# Altium PCB 28pins_Antariksh_unoR3_V1I1_PCB.PcbDoc (part 1 of 2)
Units mm, origin at the board's own origin, x right, y up, seen from the top; angles counter-clockwise.
Board outline 68.58 x 53.34 mm, 2 copper layers (L1, L2), stack 1.671 mm thick; 106 components, 71 nets, 323 pads, 81 vias.
Unrouted connection lines stored in the file: 1.
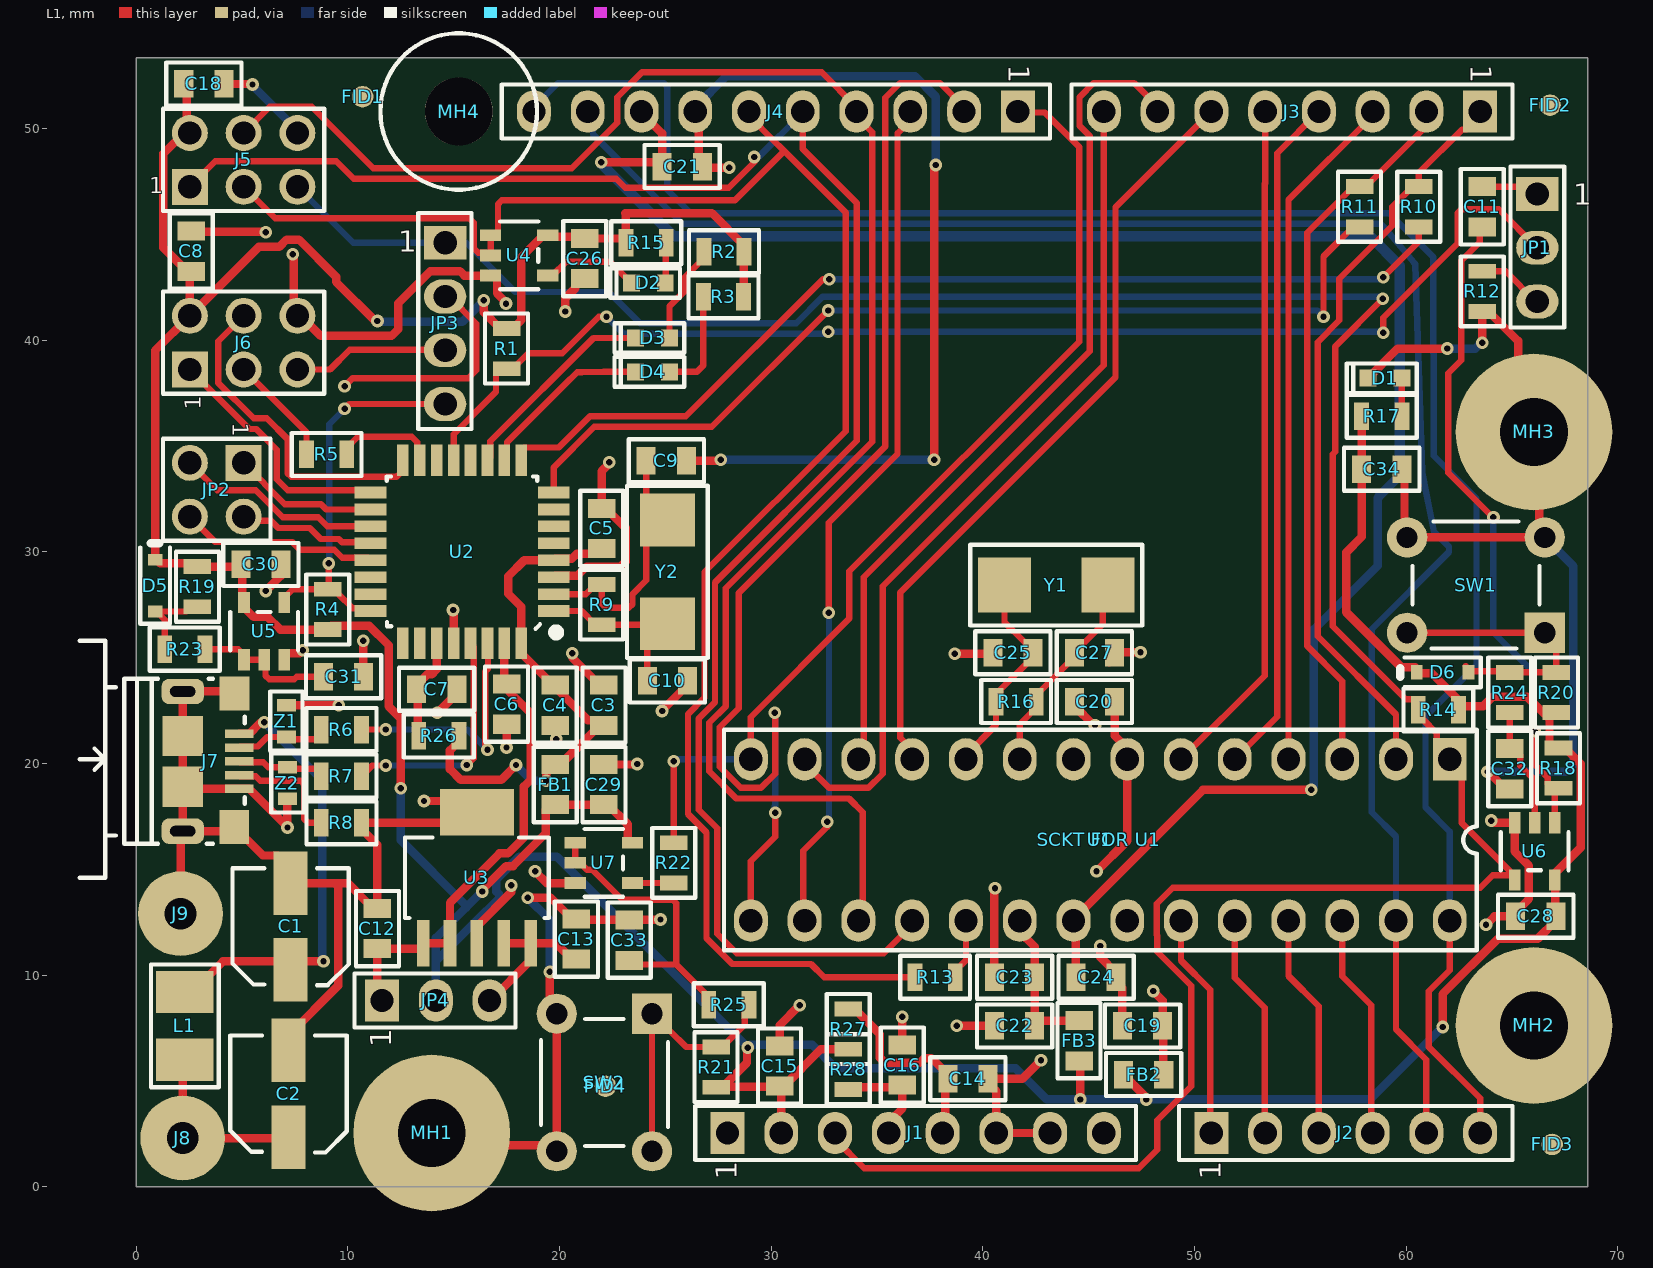
[diagram p0: L1 view]
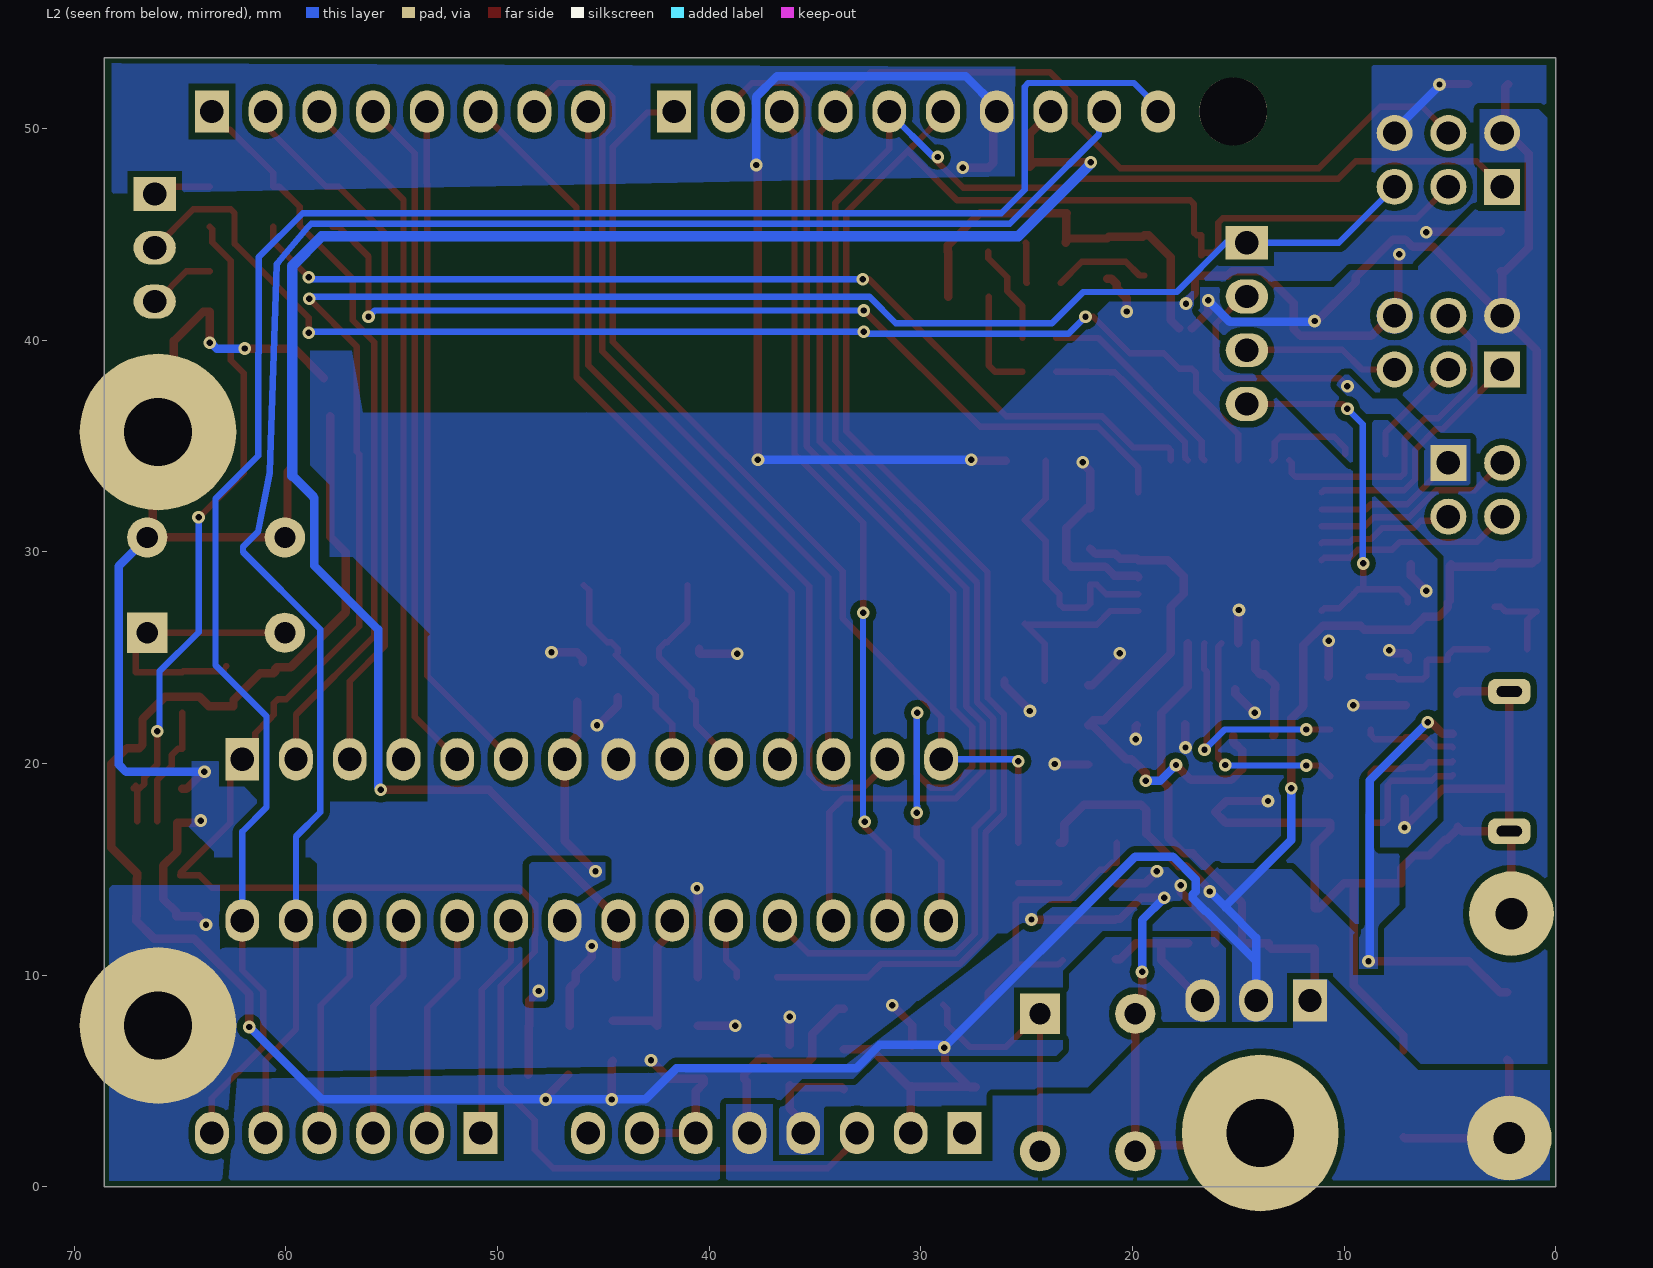
[diagram p1: L2 view, seen from below]

## Layer stack, top to bottom
Top Solder: solder mask 0.0102, Solder Resist, Dk 3.5
L1: signal copper 0.0356
Dielectric 1: dielectric 1.6, FR-4, Dk 4.8
L2: signal copper 0.0356
Bottom Solder: solder mask 0.0102, Solder Resist, Dk 3.5

## Board outline
0,0 68.58,0 68.58,53.34 0,53.34

## Design rules (kind name [scope] priority, off if disabled: settings)
Clearance "Around Polygons" [IsRegion] p1: gap=0.3 ignorepadtopadclearanceinfootprint=FALSE
Clearance [All] p2: gap=0.2 ignorepadtopadclearanceinfootprint=FALSE
ComponentClearance "MH4 and FID1" [InComponent('MH4') vs InComponent('FID1')] p1: gap=0 collisioncheckmode=3 verticalgap=0 showdistances=FALSE
ComponentClearance "SW2 and FID4" [InComponent('SW2') vs InComponent('FID4')] p2: gap=0 collisioncheckmode=3 verticalgap=0 showdistances=FALSE
ComponentClearance "SW1 and MH3" [InComponent('SW1') vs InComponent('MH3')] p3: gap=0 collisioncheckmode=3 verticalgap=0 showdistances=FALSE
ComponentClearance "SW2 and FID1" [InComponent('SW2') vs InComponent('FID1')] p4: gap=0 collisioncheckmode=3 verticalgap=0 showdistances=FALSE
ComponentClearance "POWER RESISTORS" [InComponent('R27') vs InComponent('R28')] p5: gap=0 collisioncheckmode=3 verticalgap=0 showdistances=FALSE
ComponentClearance "MH4 to FID4 and J4" [InComponent('MH4') vs InComponent('FID4') or InComponent('J4')] p6: gap=0 collisioncheckmode=3 verticalgap=0 showdistances=FALSE
ComponentClearance "DIP SCKT to MH2 to U1" [InComponent('SCKT FOR U1') vs InComponent('MH2') or InComponent('U1')] p7: gap=0 collisioncheckmode=3 verticalgap=0 showdistances=FALSE
ComponentClearance "MH2 to J2" [InComponent('MH2') vs InComponent('J2')] p8: gap=0 collisioncheckmode=3 verticalgap=0 showdistances=FALSE
ComponentClearance [All] p9: gap=0.2 collisioncheckmode=3 verticalgap=0.2 showdistances=FALSE
HoleSize [All] p1: absolutevalues=TRUE maxlimit=10 minlimit=0.2 maxpercent=80.000 minpercent=20.000
HoleToHoleClearance [All] p1: gap=0.3 allowstackedmicrovias=TRUE
MinimumSolderMaskSliver [All] p1: minsoldermaskwidth=0.1
PolygonConnect [All] p1: connectstyle=Direct reliefconductorwidth=0.254 reliefentries=4 polygonreliefangle="90 Angle" airgapwidth=0.254
RoutingVias [All] p1: holewidth=0.3 width=0.6 viastyle="Through Hole" minholewidth=0.3 minwidth=0.6 maxholewidth=0.3 maxwidth=0.6
SilkToSilkClearance [All] p1: silktosilkclearance=0.1
SilkToSolderMaskClearance [IsPad] p1: minsilkscreentomaskgap=0.1 clearancetoexposedcopper=TRUE
SolderMaskExpansion [All] p1: expansion=0.1 istentingtop=FALSE
Width "Width POWERS" [InNet('+*') or InNet('GND')] p1: maxlimit=4 minlimit=0.4 preferedwidth=0.4
Width [All] p2: maxlimit=0.5 minlimit=0.3 preferedwidth=0.3
24 further rules are at their usual default settings.

## Components (designator, comment, footprint, x,y, rotation, side; value= is the part's Value field where it differs from the comment)
C1 "100uF/10V" C_ALU_C_SIZE 7.3,12.3 r90 top
C2 "100uF/10V" C_ALU_C_SIZE 7.2,4.4 r90 top
C3 "10uF / 16V" C0805 22.1,22.75 r270 top
C4 "100n" C0805 19.8,22.75 r90 top
C5 "100n" C0805 22,31.1 r270 top
C6 "100n" C0805 17.5,22.8 r90 top
C7 "1uF / 25V" C0805 14.2,23.5 r180 top
C8 "100n" C0805 2.6,44.2 r270 top
C9 "18p" C0805 25.05,34.3 r180 top
C10 "18p" C0805 25.1,23.9 r180 top
C11 "100n" C0805 63.6,46.3 r270 top
C12 "10uF / 16V" C0805 11.4,12.2 r270 top
C13 "10uF / 16V" C0805 20.8,11.7 r270 top
C14 "100n" C0805 39.3,5.1 r180 top
C15 "100n" C0805 30.4,5.7 r270 top
C16 "100n" C0805 36.2,5.75 r270 top
C18 "100n" C0805 3.2,52.1 r180 top
C19 "10uF / 16V" C0805 47.55,7.6 r0 top
C20 "100n" C0805 45.275,22.925 r0 top
C21 "10uF / 16V" C0805 25.8,48.2 r180 top
C22 "10uF / 16V" C0805 41.5,7.6 r0 top
C23 "100n" C0805 41.5,9.9 r0 top
C24 "100n" C0805 45.35,9.9 r180 top
C25 "18p" C0805 41.425,25.225 r0 top
C26 "100n" C0805 21.2,43.85 r90 top
C27 "18p" C0805 45.275,25.225 r180 top
C28 "100n" C0805 66.125,12.775 r0 top
C29 "100n" C0805 22.1,19 r270 top
C30 "100n" C0805 5.9,29.4 r180 top
C31 "100n" C0805 9.8,24.1 r180 top
C32 "100n" C0805 64.9,19.75 r90 top
C33 "100n" C0805 23.3,11.65 r270 top
C34 "10uF / 16V" C0805 58.85,33.9 r180 top
D1 "Green" LED_0603 59,38.2 r0 top
D2 "Orange" LED_0603 24.2,42.7 r0 top
D3 "Orange" LED_0603 24.4,40.1 r0 top
D4 "Orange" LED_0603 24.4,38.5 r0 top
D5 "BAT54HT1GCT-ND" SOD323 0.9,28.4 r270 top
D6 "BAT54HT1GCT-ND" SOD323 61.725,24.3 r0 top
FB1 "MPZ2012S601AT000" C0805 19.8,19 r90 top
FB2 "MPZ2012S601AT000" C0805 47.6,5.3 r0 top
FB3 "MPZ2012S601AT000" C0805 44.55,6.9 r90 top
FID1 "FID_1mm" FID_40x120 10.7,51.5 r0 top
FID2 "FID_1mm" FID_40x120 66.8,51.1 r90 top
FID3 "FID_1mm" FID_40x120 66.9,2 r90 top
FID4 "FID_1mm" FID_40x120 22.175,4.75 r90 top
J1 "HDRF_1X8_2.54mm" HDR_F_1X8_2.54mm 27.94,2.54 r90 top locked
J2 "HDRF_1x6_2.54mm" HDR_F_1X6_2.54mm 50.8,2.54 r90 top locked
J3 "HDRF_1X8_2.54mm" HDR_F_1X8_2.54mm 63.5,50.8 r270 top locked
J4 "HDRF 1X10 2.54mm" HDR_F_1X10_2.54mm 41.656,50.8 r270 top locked
J5 "HDR 2x3" HDR_2x3_2.54mm 2.54,47.244 r90 top locked
J6 "HDR 2x3" HDR_2x3_2.54mm 2.54,38.608 r90 top locked
J7 "10118193-0001LF" 10118193 3.537,20.1 r270 top locked
J8 "4x1.5mm" PAD_WITH_HOLE_4x1.5mm 2.2,2.3 r0 top
J9 "4x1.5mm" PAD_WITH_HOLE_4x1.5mm 2.1,12.9 r0 top
JP1 "HDR 1x3" HDR_1X3_2.54mm 66.2,46.9 r0 top locked
JP2 "HDR 2X2" HDR_2x2_2.54mm 5.08,34.2 r270 top
JP3 "HDR 1x4" HDR_1X4_2.54MM 14.6,44.6 r0 top locked
JP4 "HDR 1x3" HDR_1X3_2.54mm 11.62,8.8 r90 top locked
L1 "2U2 / 2A" CL210_IND 2.3,7.6 r270 top
MH1 "MH_7.4mmCX3.2mmD" MH_7.4mmCx3.2mmD#1 -16.972,-28.656 r0 top locked
MH2 "MH_7.4mmCX3.2mmD" MH_7.4mmCx3.2mmD#2 66.04,7.62 r0 top locked
MH3 "MH_7.4mmCX3.2mmD" MH_7.4mmCx3.2mmD#3 66.04,35.56 r0 top locked
MH4 "MH_7.4mmNCx2.3mmD" MH_7.4mmNCx3.2mmD 15.24,50.8 r0 top locked
R1 "100k" R0805 17.5,39.6 r90 top
R2 "560R" R0805 27.775,44.175 r0 top
R3 "560R" R0805 27.75,42.05 r0 top
R4 "10K" R0805 9.05,27.275 r270 top
R5 "22R" R0805 9,34.6 r180 top
R6 "22R" R0805 9.7,21.6 r0 top
R7 "22R" R0805 9.7,19.4 r0 top
R8 "0R" R0805 9.7,17.2 r0 top
R9 "1M" R0805 22,27.5 r90 top
R10 "1k" R0805 60.6,46.3 r90 top
R11 "1k" R0805 57.8,46.3 r90 top
R12 "1k" R0805 63.6,42.3 r90 top
R13 "22R" R0805 37.75,9.9 r180 top
R14 "10K" R0805 61.525,22.525 r0 top
R15 "560R" R0805 24.1,44.6 r180 top
R16 "1M" R0805 41.575,22.925 r180 top
R17 "560R" R0805 58.85,36.4 r180 top
R18 "10K" R0805 67.2,19.775 r90 top
R19 "10K" R0805 2.9,28.35 r90 top
R20 "10K" R0805 67.1,23.35 r270 top
R21 "10K" R0805 27.4,5.65 r270 top
R22 "560R" R0805 25.4,15.3 r90 top
R23 "22R" R0805 2.3,25.4 r0 top
R24 "22R" R0805 64.9,23.35 r270 top
R25 "22R" R0805 28,8.6 r180 top
R26 "0R" R0805 14.3,21.3 r0 top
R27 "0R" R0805 33.65,7.45 r270 top
R28 "0R" R0805 33.65,5.55 r270 top
"SCKT FOR U1" "28-DIP Socket" 28-DIP_7.62mm_SOCKET 45.5,16.4 r270 top
SW1 "1825910-6" 1825910-6 63.3,28.425 r270 top
SW2 "1825910-6" 1825910-6 22.125,4.925 r0 top
U1 "ATMEGA328P-PU" 28_DIP_7.62MM 62.065,20.193 r270 top locked
U2 "ATMEGA16U2-AU" TQFP32 15.4,30 r180 top locked
U3 "TL1963A-33DCQR" "DCQ (R-PDSO-G6)" 16.1,14.6 r90 top
U4 "SN74AHC1G09DBVR" DBV_SOP_23_5 18.1,44 r0 top
U5 "SN74AHC1G09DBVR" DBV_SOP_23_5 6.05,26.25 r90 top
U6 "SN74AHC1G09DBVR" DBV_SOP_23_5 66.075,15.85 r270 top
U7 "SN74AHC1G09DBVR" DBV_SOP_23_5 22.1,15.3 r0 top
Y1 "ABM7-16.000MHZ-D2Y-T" ABM7_v1_1_BIG 43.475,28.425 r180 top
Y2 "ABM7-16.000MHZ-D2Y-T" ABM7_v1_1_BIG 25.1,29.05 r90 top
Z1 "CG0603MLC-05E" R0603 7.1,22 r270 top
Z2 "CG0603MLC-05E" R0603 7.15,19.075 r90 top

## Footprints (in the part's own frame and the unit in brackets; to place one, negate y for a bottom-side part, rotate by r counter-clockwise, add the part's x,y. Pads: shape width x height; smd on the part's side, far side on the other; paste and mask are expansions set on the pad)
28-DIP_7.62mm_SOCKET [mm]
  body extent -5.05,-17.75 5.05,17.75, height 2.8
28_DIP_7.62MM [mm]
  rect 2x1.6 hole 1.1: 1(0,0)
  oval 2x1.6 hole 1.1: 2(0,-2.54) 3(0,-5.08) 4(0,-7.62) 5(0,-10.16) 6(0,-12.7) 7(0,-15.24) 8(0,-17.78) 9(0,-20.32) 10(0,-22.86) 11(0,-25.4) 12(0,-27.94) 13(0,-30.48) 14(0,-33.02) 15(7.62,-33.02) 16(7.62,-30.48) 17(7.62,-27.94) 18(7.62,-25.4) 19(7.62,-22.86) 20(7.62,-20.32) 21(7.62,-17.78) 22(7.62,-15.24) 23(7.62,-12.7) 24(7.62,-10.16) 25(7.62,-7.62) 26(7.62,-5.08) 27(7.62,-2.54) 28(7.62,0)
  silkscreen extent -1.4,-34.29 9.02,1.27, body extent -0.76,-34.11 8.38,1.09, height 6.6
1825910-6 [mm]
  rect 1.9x1.9 hole 1: 1(2.25,3.25)
  round 1.9 hole 1: 2(2.25,-3.25) 3(-2.25,3.25) 4(-2.25,-3.25)
  silkscreen extent -3,-3 3,3, body extent -2.99,-3.9 3,3.9, height 5
10118193 [mm]
  rect 0.4x1.35 smd mask+0.05: 1(-1.3,1.338) 2(-0.65,1.338) 3(0,1.338) 4(0.65,1.338) 5(1.3,1.338)
  rect 1.6x1.4 smd: 6(-3.2,1.112) 7(3.1,1.1)
  rrect60% 1.2x2 hole 0.5 slot 1.2 at 90 deg: 8(-3.3,-1.338) 9(3.3,-1.338)
  rect 1.9x1.9 smd mask+0.05: 10(-1.2,-1.338) 11(1.2,-1.338)
  silkscreen extent -5.7,-6.2 5.5,1.6, body extent -3.93,-4.1 3.93,1.56, height 2.87
ABM7_v1_1_BIG [mm]
  rect 2.5x2.6 smd: 1(-2.45,0) 2(2.45,0)
  silkscreen extent -4.06,-1.91 4.06,1.91, body extent -3,-1.75 3,1.75, height 1.41
C0805 [mm]
  rect 0.9x1.3 smd: 1(-0.95,0) 2(0.95,0)
  silkscreen extent -1.78,-1.02 1.78,1.02, body extent -0.8,-0.42 0.8,0.38, height 1.37
C_ALU_C_SIZE [mm]
  rect 3x1.6 smd: 1(-2.05,0) 2(2.05,0)
  silkscreen extent -2.78,-2.75 2.75,2.75, body extent -2.95,-2.65 2.95,2.65, height 5.41
CL210_IND [mm]
  rect 2x2.7 smd: 1(-1.6,0) 2(1.6,0)
  silkscreen extent -2.9,-1.6 2.9,1.6, body extent -1.7,-1.25 1.7,1.25, height 2.7
DBV_SOP_23_5 [mm]
  rect 1x0.55 smd: 1(-1.35,0.95) 2(-1.35,0) 3(-1.35,-0.95) 4(1.35,-0.95) 5(1.35,0.95)
  silkscreen extent -0.9,-1.6 0.9,1.6, body extent -1.4,-1.45 1.4,1.45, height 1.42
"DCQ (R-PDSO-G6)" [mm]
  rect 2.2x0.6 smd: 1(-3.1,2.54) 2(-3.1,1.27) 3(-3.1,0) 4(-3.1,-1.27) 5(-3.1,-2.54)
  rect 2.2x3.5 smd: 6(3.1,0)
  silkscreen extent -1.9,-3.4 1.9,3.4, body extent -3.63,-3.28 3.63,3.27, height 1.79
FID_40x120 [mil]
  round 40 smd paste-40 mask+40: 1(0,0)
HDR_1X3_2.54mm [mm]
  rect 2x1.6 hole 1.1: 1(0,0)
  oval 2x1.6 hole 1.1: 2(0,-2.54) 3(0,-5.08)
  silkscreen extent -1.27,-6.3 1.27,1.3, body extent -1.21,-6.35 1.21,1.27, height 8.39
HDR_1X4_2.54MM [mm]
  rect 2x1.6 hole 1.1: 1(0,0)
  oval 2x1.6 hole 1.1: 2(0,-2.54) 3(0,-5.08) 4(0,-7.62)
  silkscreen extent -1.27,-8.8 1.25,1.4, body extent -1.27,-8.8 1.14,1.36, height 8.39
HDR_2x2_2.54mm [mm]
  rect 1.7x1.7 hole 1.1: 1(0,0)
  round 1.7 hole 1.1: 2(2.54,0) 3(0,-2.54) 4(2.54,-2.54)
  silkscreen extent -1.14,-3.81 3.68,1.27, body extent -1.27,-3.81 3.81,1.27, height 9.21
HDR_2x3_2.54mm [mm]
  rect 1.7x1.7 hole 1.1: 1(0,0)
  round 1.7 hole 1.1: 2(2.54,0) 3(0,-2.54) 4(2.54,-2.54) 5(0,-5.08) 6(2.54,-5.08)
  silkscreen extent -1.14,-6.35 3.68,1.27, body extent -1.14,-6.35 3.68,1.27, height 8.19
HDR_F_1X6_2.54mm [mm]
  rect 2x1.6 hole 1.1: 1(0,0)
  oval 2x1.6 hole 1.1: 2(0,-2.54) 3(0,-5.08) 4(0,-7.62) 5(0,-10.16) 6(0,-12.7)
  silkscreen extent -1.27,-14.22 1.27,1.52, body extent -1.25,-14.17 1.25,1.47, height 8.51
HDR_F_1X8_2.54mm [mm]
  rect 2x1.6 hole 1.1: 1(0,0)
  oval 2x1.6 hole 1.1: 2(0,-2.54) 3(0,-5.08) 4(0,-7.62) 5(0,-10.16) 6(0,-12.7) 7(0,-15.24) 8(0,-17.78)
  silkscreen extent -1.27,-19.3 1.27,1.52, body extent -1.25,-19.25 1.25,1.47, height 8.51
HDR_F_1X10_2.54mm [mm]
  rect 2x1.6 hole 1.1: 1(0,0)
  oval 2x1.6 hole 1.1: 2(0,-2.54) 3(0,-5.08) 4(0,-7.62) 5(0,-10.16) 6(0,-12.7) 7(0,-15.24) 8(0,-17.78) 9(0,-20.32) 10(0,-22.86)
  silkscreen extent -1.27,-24.38 1.27,1.52, body extent -1.25,-24.33 1.25,1.47, height 8.51
LED_0603 [mm]
  rect 0.8x0.8 smd: 1(-0.8,0) 2(0.8,0)
  silkscreen extent -1.8,-0.7 1.5,0.7, body extent -2.4,-0.36 0.83,3, height 0.7
MH_7.4mmCx3.2mmD#1 [mm]
  round 7.4 hole 3.2: 1(30.942,31.196)
MH_7.4mmCx3.2mmD#2 [mm]
  round 7.4 hole 3.2: 1(0,0)
MH_7.4mmCx3.2mmD#3 [mm]
  round 7.4 hole 3.2: 1(0,0.1)
MH_7.4mmNCx3.2mmD [mm]
  round 3.2 hole 3.2 unplated: 1(0,0)
  silkscreen extent -3.7,-3.7 3.7,3.7
PAD_WITH_HOLE_4x1.5mm [mm]
  round 4 hole 1.5: 1(0,0)
R0603 [mm]
  rect 0.6x0.9 smd: 1(-0.75,0) 2(0.75,0)
  silkscreen extent -1.4,-0.76 1.4,0.76, body extent -0.8,-0.4 0.8,0.4, height 0.56
R0805 [mm]
  rect 0.7x1.3 smd: 1(-0.95,0) 2(0.95,0)
  silkscreen extent -1.65,-1.02 1.65,1.02, body extent -1,-0.6 1,0.6, height 0.71
SOD323 [mil]
  rect 22x27 smd: 1(-48,0) 2(48,0)
  silkscreen extent -79,-28 71,28, body extent -49,-25 49,25, height 39
TQFP32 [mm]
  rect 1.5x0.55 smd mask+0.06: 1(-4.327,2.8) 2(-4.327,2) 3(-4.327,1.2) 4(-4.327,0.4) 5(-4.327,-0.4) 6(-4.327,-1.2) 7(-4.327,-2) 8(-4.327,-2.8) 17(4.327,-2.8) 18(4.327,-2) 19(4.327,-1.2) 20(4.327,-0.4) 21(4.327,0.4) 22(4.327,1.2) 23(4.327,2) 24(4.327,2.8)
  rect 0.55x1.5 smd mask+0.06: 9(-2.8,-4.327) 10(-2,-4.327) 11(-1.2,-4.327) 12(-0.4,-4.327) 13(0.4,-4.327) 14(1.2,-4.327) 15(2,-4.327) 16(2.8,-4.327) 25(2.8,4.327) 26(2,4.327) 27(1.2,4.327) 28(0.4,4.327) 29(-0.4,4.327) 30(-1.2,4.327) 31(-2,4.327) 32(-2.8,4.327)
  silkscreen extent -4.57,-3.56 3.56,3.94, body extent -4.6,-4.63 4.6,4.57, height 1.2

## Part data
C1 C2: library part EEE-1AA101WR, "Radial Can - SMD ALUMINUM ELECTROLYTIC CAPACITOR S 10V 100muF ±20% 0.197Dia 5.00mm", Capacitance=100µF, Case/Package=Radial, Leakage Current=10µA, Manufacturer=Panasonic, Max Operating Temperature=85°C, Min Operating Temperature=-40°C, Ripple Current=50mA, Tolerance=20%, Voltage Rating=10V, Category="Aluminum Electrolytic Capacitors", ComponentLink1Description=https://datasheet.octopart.com:443/EEE-1AA101WR-Panasonic-datasheet-62330071.pdf?src-supplier=Newark, ComponentLink1URL=https://datasheet.octopart.com:443/EEE-1AA101WR-Panasonic-datasheet-62330071.pdf?src-supplier=Newark, ComponentLink2Description=https://datasheet.octopart.com:443/EEE-1AA101WR-Panasonic-datasheet-5314063.pdf?src-supplier=Newark, ComponentLink2URL=https://datasheet.octopart.com:443/EEE-1AA101WR-Panasonic-datasheet-5314063.pdf?src-supplier=Newark, ComponentLink3Description=https://datasheet.octopart.com:443/EEE-1AA101WR-Panasonic-datasheet-41169183.pdf?src-supplier=Newark, ComponentLink3URL=https://datasheet.octopart.com:443/EEE-1AA101WR-Panasonic-datasheet-41169183.pdf?src-supplier=Newark, ComponentLink4Description=https://datasheet.octopart.com:443/EEE-1AA101WR-Panasonic-datasheet-13265900.pdf?src-supplier=RS+(Formerly+Allied+Electronics), ComponentLink4URL=https://datasheet.octopart.com:443/EEE-1AA101WR-Panasonic-datasheet-13265900.pdf?src-supplier=RS+(Formerly+Allied+Electronics), ComponentLink5Description=https://datasheet.octopart.com:443/EEE-1AA101WR-Panasonic-datasheet-34230028.pdf?src-supplier=element14+APAC, ComponentLink5URL=https://datasheet.octopart.com:443/EEE-1AA101WR-Panasonic-datasheet-34230028.pdf?src-supplier=element14+APAC, ComponentLink6Description=https://datasheet.octopart.com:443/EEE-1AA101WR-Panasonic-datasheet-154766114.pdf?src-supplier=Master+Electronics, ComponentLink6URL=https://datasheet.octopart.com:443/EEE-1AA101WR-Panasonic-datasheet-154766114.pdf?src-supplier=Master+Electronics, ComponentLink7Description=https://datasheet.octopart.com:443/EEE-1AA101WR-Panasonic-datasheet-11548988.pdf?src-supplier=Arrow+Electronics, ComponentLink7URL=https://datasheet.octopart.com:443/EEE-1AA101WR-Panasonic-datasheet-11548988.pdf?src-supplier=Arrow+Electronics, ComponentLink8Description=https://datasheet.octopart.com:443/EEE1AA101WR-Panasonic-datasheet-150469818.pdf?src-supplier=TME, ComponentLink8URL=https://datasheet.octopart.com:443/EEE1AA101WR-Panasonic-datasheet-150469818.pdf?src-supplier=TME, ComponentLink9Description=https://sigma.octopart.com:443/150570760/technical_drawing/Panasonic-EEE1AA101WR.pdf?src-supplier=Panasonic+SCT, ComponentLink9URL=https://sigma.octopart.com:443/150570760/technical_drawing/Panasonic-EEE1AA101WR.pdf?src-supplier=Panasonic+SCT, ComponentLink10Description=https://datasheet.octopart.com:443/EEE-1AA101WR-Panasonic-datasheet-6019.pdf?src-supplier=DigiKey, ComponentLink10URL=https://datasheet.octopart.com:443/EEE-1AA101WR-Panasonic-datasheet-6019.pdf?src-supplier=DigiKey, Contact Plating=Tin, Diameter=5mm, Dissipation Factor=30%, Height=5.4mm, Height - Seated (Max)=5.4102mm, Lead Free="Lead Free", Length=5.3mm, Life (Hours)=1000hours, Lifecycle Status=NRND, Manufacturer Part Number=EEE-1AA101WR, Mount="Surface Mount", Number of Terminals=2, Packaging="Cut Tape", Pricing 1="1000=0.06472, 2000=0.06268, 4000=0.06128, 6000=0.05965, 8000=0.05825 (USD)", Radiation Hardening=No, REACH SVHC=Yes, Ripple Current (AC)=50mA, RoHS=Compliant, Schedule B="8532220020, 8532220020|8532220020|8532220020|8532220020|8532220020", Stock 1=10000, Supplier 1=Avnet, Supplier Part Number 1=EEE-1AA101WR, Termination=SMD/SMT, Voltage Rating (DC)=10V, Width=5.3mm
C3 C12 C13 C19 C21 C22 C34: library part C2012X5R1C106M125AC, "Ceramic Capacitor, Multilayer, Ceramic, 16V, 20% +Tol, 20% -Tol, X5R, 15% TC, 10uF, Surface Mount, 0805", Capacitance=10µF, Case Code (Imperial)=0805, Case Code (Metric)=2012, Dielectric=X5R, Dielectric Material=Ceramic, Manufacturer=TDK, Max Operating Temperature=85°C, Min Operating Temperature=-55°C, Supplier Part Number 1=2522052, Tolerance=20%, Voltage Rating=16V, Category="Ceramic Capacitors", China RoHS=Compliant, ComponentLink1Description=https://datasheet.octopart.com:443/C2012X5R1C106M125AC-TDK-datasheet-82475248.pdf?src-supplier=Newark, ComponentLink1URL=https://datasheet.octopart.com:443/C2012X5R1C106M125AC-TDK-datasheet-82475248.pdf?src-supplier=Newark, ComponentLink2Description=https://datasheet.octopart.com:443/C2012X5R1C106M125AC-TDK-datasheet-13444418.pdf?src-supplier=Newark, ComponentLink2URL=https://datasheet.octopart.com:443/C2012X5R1C106M125AC-TDK-datasheet-13444418.pdf?src-supplier=Newark, ComponentLink3Description=https://datasheet.octopart.com:443/C2012X5R1C106M125AC-TDK-datasheet-23766614.pdf?src-supplier=Newark, ComponentLink3URL=https://datasheet.octopart.com:443/C2012X5R1C106M125AC-TDK-datasheet-23766614.pdf?src-supplier=Newark, ComponentLink4Description=https://datasheet.octopart.com:443/C2012X5R1C106M125AC-TDK-datasheet-20681607.pdf?src-supplier=Newark, ComponentLink4URL=https://datasheet.octopart.com:443/C2012X5R1C106M125AC-TDK-datasheet-20681607.pdf?src-supplier=Newark, ComponentLink5Description=https://datasheet.octopart.com:443/C2012X5R1C106M125AC-TDK-datasheet-41194876.pdf?src-supplier=element14+APAC, ComponentLink5URL=https://datasheet.octopart.com:443/C2012X5R1C106M125AC-TDK-datasheet-41194876.pdf?src-supplier=element14+APAC, ComponentLink6Description=https://datasheet.octopart.com:443/C2012X5R1C106M125AC-TDK-datasheet-41169347.pdf?src-supplier=element14+APAC, ComponentLink6URL=https://datasheet.octopart.com:443/C2012X5R1C106M125AC-TDK-datasheet-41169347.pdf?src-supplier=element14+APAC, ComponentLink7Description=https://datasheet.octopart.com/C-Series-Ceramic-Chip-Capacitors-TDK-datasheet-family-84.pdf, ComponentLink7URL=https://datasheet.octopart.com/C-Series-Ceramic-Chip-Capacitors-TDK-datasheet-family-84.pdf, ComponentLink8Description=http://sigma.octopart.com:80/rohs_certificate/C-Series-Ceramic-Chip-Capacitors-TDK-family-108.pdf?src-supplier=Compliance+Statements, ComponentLink8URL=http://sigma.octopart.com:80/rohs_certificate/C-Series-Ceramic-Chip-Capacitors-TDK-family-108.pdf?src-supplier=Compliance+Statements, Composition=Ceramic, Depth=1.25mm, Height=1.25mm, Lead Free="Lead Free", Length=2mm, Lifecycle Status=Obsolete, Manufacturer Part Number=C2012X5R1C106M125AC, Mount="Surface Mount", Number of Pins=2, Number of Terminals=2, Pricing 1="2000=0.0662 (GBP)", REACH SVHC=Yes, RoHS=Compliant, Supplier 1=Farnell, Termination=SMD/SMT, Voltage Rating (DC)=16V, Weight=5.499807mg, Width=1.25mm
C4 C5 C6 C8 C11 C14 C15 C16 C18 C20 C23 C24 C26 C28 C29 C30 C31 C32 C33: library part C2012X7R1H104K085AA, "C Series 0805 0.1 uF 50 V ±10 % Tolerance X7R SMT Multilayer Ceramic Capacitor", Capacitance=100nF, Case Code (Imperial)=0805, Case Code (Metric)=2012, Dielectric=X7R, Dielectric Material=Ceramic, Manufacturer=TDK, Manufacturer Lifecycle Status="PRODUCTION (NOT RECOMMENDED FOR NEW DESIGN)", Max Operating Temperature=125°C, Min Operating Temperature=-55°C, Tolerance=10%, Voltage=50V, Case/Package=0805, Category="Ceramic Capacitors", China RoHS=Compliant, ComponentLink1Description=https://datasheet.octopart.com:443/C2012X7R1H104K085AA-TDK-datasheet-175423548.pdf?src-supplier=IHS, ComponentLink1URL=https://datasheet.octopart.com:443/C2012X7R1H104K085AA-TDK-datasheet-175423548.pdf?src-supplier=IHS, ComponentLink2Description=https://datasheet.octopart.com:443/C2012X7R1H104K085AA-TDK-datasheet-151546523.pdf?src-supplier=ODG+(Origin+Data+Global), ComponentLink2URL=https://datasheet.octopart.com:443/C2012X7R1H104K085AA-TDK-datasheet-151546523.pdf?src-supplier=ODG+(Origin+Data+Global), ComponentLink3Description=https://datasheet.octopart.com:443/C2012X7R1H104K085AA-TDK-datasheet-41194876.pdf?src-supplier=element14+APAC, ComponentLink3URL=https://datasheet.octopart.com:443/C2012X7R1H104K085AA-TDK-datasheet-41194876.pdf?src-supplier=element14+APAC, ComponentLink4Description=https://datasheet.octopart.com:443/C2012X7R1H104K085AA-TDK-datasheet-10978788.pdf?src-supplier=element14+APAC, ComponentLink4URL=https://datasheet.octopart.com:443/C2012X7R1H104K085AA-TDK-datasheet-10978788.pdf?src-supplier=element14+APAC, ComponentLink5Description=https://datasheet.octopart.com:443/C2012X7R1H104K085AA-TDK-datasheet-13376850.pdf?src-supplier=element14+APAC, ComponentLink5URL=https://datasheet.octopart.com:443/C2012X7R1H104K085AA-TDK-datasheet-13376850.pdf?src-supplier=element14+APAC, ComponentLink6Description=https://datasheet.octopart.com:443/C2012X7R1H104K085AA-TDK-datasheet-41169347.pdf?src-supplier=element14+APAC, ComponentLink6URL=https://datasheet.octopart.com:443/C2012X7R1H104K085AA-TDK-datasheet-41169347.pdf?src-supplier=element14+APAC, ComponentLink7Description=https://datasheet.octopart.com:443/C2012X7R1H104K085AA-TDK-datasheet-82475248.pdf?src-supplier=Newark, ComponentLink7URL=https://datasheet.octopart.com:443/C2012X7R1H104K085AA-TDK-datasheet-82475248.pdf?src-supplier=Newark, ComponentLink8Description=https://datasheet.octopart.com:443/C2012X7R1H104K085AA-TDK-datasheet-13444418.pdf?src-supplier=Newark, ComponentLink8URL=https://datasheet.octopart.com:443/C2012X7R1H104K085AA-TDK-datasheet-13444418.pdf?src-supplier=Newark, ComponentLink9Description=https://datasheet.octopart.com:443/C2012X7R1H104K085AA-TDK-datasheet-23766614.pdf?src-supplier=Newark, ComponentLink9URL=https://datasheet.octopart.com:443/C2012X7R1H104K085AA-TDK-datasheet-23766614.pdf?src-supplier=Newark, ComponentLink10Description=https://datasheet.octopart.com:443/C2012X7R1H104K085AA-TDK-datasheet-12509848.pdf?src-supplier=Future+Electronics, ComponentLink10URL=https://datasheet.octopart.com:443/C2012X7R1H104K085AA-TDK-datasheet-12509848.pdf?src-supplier=Future+Electronics, ComponentLink11Description=https://datasheet.octopart.com:443/C2012X7R1H104K085AA-TDK-datasheet-8852320.pdf?src-supplier=Future+Electronics, ComponentLink11URL=https://datasheet.octopart.com:443/C2012X7R1H104K085AA-TDK-datasheet-8852320.pdf?src-supplier=Future+Electronics, ComponentLink12Description=https://datasheet.octopart.com:443/C2012X7R1H104K085AA-TDK-datasheet-8359770.pdf?src-supplier=Future+Electronics, ComponentLink12URL=https://datasheet.octopart.com:443/C2012X7R1H104K085AA-TDK-datasheet-8359770.pdf?src-supplier=Future+Electronics, ComponentLink13Description=https://datasheet.octopart.com:443/C2012X7R1H104K085AA-TDK-datasheet-8324322.pdf?src-supplier=Future+Electronics, ComponentLink13URL=https://datasheet.octopart.com:443/C2012X7R1H104K085AA-TDK-datasheet-8324322.pdf?src-supplier=Future+Electronics, ComponentLink14Description=https://datasheet.octopart.com:443/C2012X7R1H104K085AA-TDK-datasheet-128946.pdf?src-supplier=Future+Electronics, ComponentLink14URL=https://datasheet.octopart.com:443/C2012X7R1H104K085AA-TDK-datasheet-128946.pdf?src-supplier=Future+Electronics, ComponentLink15Description=https://datasheet.octopart.com:443/C2012X7R1H104K085AA-TDK-datasheet-11730548.pdf?src-supplier=Electro+Sonic, ComponentLink15URL=https://datasheet.octopart.com:443/C2012X7R1H104K085AA-TDK-datasheet-11730548.pdf?src-supplier=Electro+Sonic, Composition=Ceramic, Depth=1.25mm, Height=850µm, Lead Free="Lead Free", Length=2mm, Lifecycle Status=NRND, Manufacturer Part Number=C2012X7R1H104K085AA, Material=Ceramic, Max Length=2.2mm, Max Width=1.45mm, Min Length=1.8mm, Min Width=1.05mm, Mount="Surface Mount", Number of Pins=2, Number of Terminals=2, Pricing 1="4000=0.01331 (USD)", Radiation Hardening=No, REACH SVHC=Yes, RoHS=Compliant, Schedule B="8532240020, 8532240020|8532240020|8532240020|8532240020|8532240020", Stock 1=44000, Supplier 1=Avnet, Supplier Part Number 1=C2012X7R1H104K085AA, Termination=SMD/SMT, Voltage Rating=50V, Voltage Rating (DC)=50V, Weight=5.499807mg, Width=1.25mm
C7: library part C2012X5R1E105K125AA, "C Series 0805 1 uF 25 V ±10% Tolerance X5R SMT Multilayer Ceramic Capacitor", Capacitance=1µF, Case Code (Imperial)=0805, Case Code (Metric)=2012, Dielectric=X5R, Dielectric Material=Ceramic, Manufacturer=TDK, Manufacturer Lifecycle Status=PRODUCTION, Max Operating Temperature=85°C, Min Operating Temperature=-55°C, Tolerance=10%, Voltage=25V, Case/Package=0805, Category="Ceramic Capacitors", China RoHS=Compliant, ComponentLink1Description=https://datasheet.octopart.com:443/C2012X5R1E105K125AA-TDK-datasheet-175423548.pdf?src-supplier=TME, ComponentLink1URL=https://datasheet.octopart.com:443/C2012X5R1E105K125AA-TDK-datasheet-175423548.pdf?src-supplier=TME, ComponentLink2Description=https://datasheet.octopart.com:443/C2012X5R1E105K125AA-TDK-datasheet-182135025.pdf?src-supplier=TME, ComponentLink2URL=https://datasheet.octopart.com:443/C2012X5R1E105K125AA-TDK-datasheet-182135025.pdf?src-supplier=TME, ComponentLink3Description=https://datasheet.octopart.com:443/C2012X5R1E105K125AA-TDK-datasheet-159617022.pdf?src-supplier=TME, ComponentLink3URL=https://datasheet.octopart.com:443/C2012X5R1E105K125AA-TDK-datasheet-159617022.pdf?src-supplier=TME, ComponentLink4Description=https://datasheet.octopart.com:443/C2012X5R1E105K125AA-TDK-datasheet-151546523.pdf?src-supplier=TDK, ComponentLink4URL=https://datasheet.octopart.com:443/C2012X5R1E105K125AA-TDK-datasheet-151546523.pdf?src-supplier=TDK, ComponentLink5Description=https://datasheet.octopart.com/C2012X5R1E105K125AA-TDK-datasheet-41194876.pdf, ComponentLink5URL=https://datasheet.octopart.com/C2012X5R1E105K125AA-TDK-datasheet-41194876.pdf, ComponentLink6Description=https://datasheet.octopart.com:443/C2012X5R1E105K125AA-TDK-datasheet-20681607.pdf?src-supplier=Newark, ComponentLink6URL=https://datasheet.octopart.com:443/C2012X5R1E105K125AA-TDK-datasheet-20681607.pdf?src-supplier=Newark, ComponentLink7Description=https://datasheet.octopart.com:443/C2012X5R1E105K125AA-TDK-datasheet-82475248.pdf?src-supplier=Newark, ComponentLink7URL=https://datasheet.octopart.com:443/C2012X5R1E105K125AA-TDK-datasheet-82475248.pdf?src-supplier=Newark, ComponentLink8Description=https://datasheet.octopart.com:443/C2012X5R1E105K125AA-TDK-datasheet-8852320.pdf?src-supplier=Newark, ComponentLink8URL=https://datasheet.octopart.com:443/C2012X5R1E105K125AA-TDK-datasheet-8852320.pdf?src-supplier=Newark, ComponentLink9Description=https://datasheet.octopart.com:443/C2012X5R1E105K125AA-TDK-datasheet-13376850.pdf?src-supplier=Newark, ComponentLink9URL=https://datasheet.octopart.com:443/C2012X5R1E105K125AA-TDK-datasheet-13376850.pdf?src-supplier=Newark, ComponentLink10Description=https://datasheet.octopart.com:443/C2012X5R1E105K125AA-TDK-datasheet-10921857.pdf?src-supplier=element14+APAC, ComponentLink10URL=https://datasheet.octopart.com:443/C2012X5R1E105K125AA-TDK-datasheet-10921857.pdf?src-supplier=element14+APAC, ComponentLink11Description=https://datasheet.octopart.com:443/C2012X5R1E105K125AA-TDK-datasheet-12509848.pdf?src-supplier=Future+Electronics, ComponentLink11URL=https://datasheet.octopart.com:443/C2012X5R1E105K125AA-TDK-datasheet-12509848.pdf?src-supplier=Future+Electronics, ComponentLink12Description=https://datasheet.octopart.com:443/C2012X5R1E105K125AA-TDK-datasheet-10978788.pdf?src-supplier=Future+Electronics, ComponentLink12URL=https://datasheet.octopart.com:443/C2012X5R1E105K125AA-TDK-datasheet-10978788.pdf?src-supplier=Future+Electronics, ComponentLink13Description=https://datasheet.octopart.com:443/C2012X5R1E105K125AA-TDK-datasheet-8359770.pdf?src-supplier=Future+Electronics, ComponentLink13URL=https://datasheet.octopart.com:443/C2012X5R1E105K125AA-TDK-datasheet-8359770.pdf?src-supplier=Future+Electronics, ComponentLink14Description=https://datasheet.octopart.com:443/C2012X5R1E105K125AA-TDK-datasheet-8324322.pdf?src-supplier=Future+Electronics, ComponentLink14URL=https://datasheet.octopart.com:443/C2012X5R1E105K125AA-TDK-datasheet-8324322.pdf?src-supplier=Future+Electronics, ComponentLink15Description=https://datasheet.octopart.com:443/C2012X5R1E105K125AA-TDK-datasheet-128946.pdf?src-supplier=Future+Electronics, ComponentLink15URL=https://datasheet.octopart.com:443/C2012X5R1E105K125AA-TDK-datasheet-128946.pdf?src-supplier=Future+Electronics, Composition=Ceramic, Depth=1.25mm, Height=1.25mm, Lead Free="Lead Free", Length=2mm, Lifecycle Status=Production, Manufacturer Part Number=C2012X5R1E105K125AA, Material=Ceramic, Max Length=2.2mm, Max Width=1.45mm, Min Length=1.8mm, Min Width=1.05mm, Mount="Surface Mount", Number of Pins=2, Number of Terminals=2, Pricing 1="2000=0.02746, 4000=0.02649, 8000=0.0256, 12000=0.02477, 16000=0.024 (USD)", Radiation Hardening=No, REACH SVHC=Yes, RoHS=Compliant, Schedule B="8532240020, 8532240020|8532240020, 8532240020|8532240020|8532240020, 8532240020|8532240020|8532240020|8532240020", Stock 1=12000, Supplier 1=Avnet, Supplier Part Number 1=C2012X5R1E105K125AA, Termination=SMD/SMT, Voltage Rating=25V, Voltage Rating (DC)=25V, Weight=5.499807mg, Width=1.25mm
C9 C10 C25 C27: library part CC0805JRNPO9BN121, "50V 120pF NP0 ±5% 0805 Multilayer Ceramic Capacitors MLCC - SMD/SMT ROHS", Capacitance=120pF, Case Code (Imperial)=0805, Case Code (Metric)=2012, Dielectric=C0G, Dielectric Material=Ceramic, Manufacturer="Yageo Group", Max Operating Temperature=125°C, Min Operating Temperature=-55°C, Supplier Part Number 1=26AK1973, Tolerance=5%, Voltage Rating=50V, Case/Package=0805, Category="Ceramic Capacitors", China RoHS=Compliant, ComponentLink1Description=https://datasheet.octopart.com:443/CC0805JRNPO9BN121-Yageo-datasheet-182140217.pdf?src-supplier=IHS, ComponentLink1URL=https://datasheet.octopart.com:443/CC0805JRNPO9BN121-Yageo-datasheet-182140217.pdf?src-supplier=IHS, ComponentLink2Description=https://datasheet.octopart.com:443/CC0805JRNPO9BN121-Yageo-datasheet-151948684.pdf?src-supplier=element14+APAC, ComponentLink2URL=https://datasheet.octopart.com:443/CC0805JRNPO9BN121-Yageo-datasheet-151948684.pdf?src-supplier=element14+APAC, ComponentLink3Description=https://datasheet.octopart.com:443/CC0805JRNPO9BN121-Yageo-datasheet-181969256.pdf?src-supplier=Farnell, ComponentLink3URL=https://datasheet.octopart.com:443/CC0805JRNPO9BN121-Yageo-datasheet-181969256.pdf?src-supplier=Farnell, ComponentLink4Description=https://datasheet.octopart.com:443/CC0805JRNPO9BN121-Yageo-datasheet-181969254.pdf?src-supplier=Farnell, ComponentLink4URL=https://datasheet.octopart.com:443/CC0805JRNPO9BN121-Yageo-datasheet-181969254.pdf?src-supplier=Farnell, ComponentLink5Description=https://datasheet.octopart.com:443/CC0805JRNPO9BN121-Yageo-datasheet-137875056.pdf?src-supplier=Future+Electronics, ComponentLink5URL=https://datasheet.octopart.com:443/CC0805JRNPO9BN121-Yageo-datasheet-137875056.pdf?src-supplier=Future+Electronics, ComponentLink6Description=https://datasheet.octopart.com:443/CC0805JRNPO9BN121-Yageo-datasheet-136957424.pdf?src-supplier=Future+Electronics, ComponentLink6URL=https://datasheet.octopart.com:443/CC0805JRNPO9BN121-Yageo-datasheet-136957424.pdf?src-supplier=Future+Electronics, ComponentLink7Description=https://datasheet.octopart.com:443/CC0805JRNPO9BN121-Yageo-datasheet-137700082.pdf?src-supplier=Future+Electronics, ComponentLink7URL=https://datasheet.octopart.com:443/CC0805JRNPO9BN121-Yageo-datasheet-137700082.pdf?src-supplier=Future+Electronics, ComponentLink8Description=https://datasheet.octopart.com:443/CC0805JRNPO9BN121-Yageo-datasheet-78855684.pdf?src-supplier=Future+Electronics, ComponentLink8URL=https://datasheet.octopart.com:443/CC0805JRNPO9BN121-Yageo-datasheet-78855684.pdf?src-supplier=Future+Electronics, ComponentLink9Description=https://datasheet.octopart.com:443/CC0805JRNPO9BN121-Yageo-datasheet-16730043.pdf?src-supplier=Future+Electronics, ComponentLink9URL=https://datasheet.octopart.com:443/CC0805JRNPO9BN121-Yageo-datasheet-16730043.pdf?src-supplier=Future+Electronics, ComponentLink10Description=https://datasheet.octopart.com:443/CC0805JRNPO9BN121-Yageo-datasheet-12589826.pdf?src-supplier=Future+Electronics, ComponentLink10URL=https://datasheet.octopart.com:443/CC0805JRNPO9BN121-Yageo-datasheet-12589826.pdf?src-supplier=Future+Electronics, ComponentLink11Description=https://datasheet.octopart.com:443/CC0805JRNPO9BN121-Yageo-datasheet-10406438.pdf?src-supplier=Future+Electronics, ComponentLink11URL=https://datasheet.octopart.com:443/CC0805JRNPO9BN121-Yageo-datasheet-10406438.pdf?src-supplier=Future+Electronics, ComponentLink12Description=https://datasheet.octopart.com:443/CC0805JRNPO9BN121-Yageo-datasheet-8817079.pdf?src-supplier=Future+Electronics, ComponentLink12URL=https://datasheet.octopart.com:443/CC0805JRNPO9BN121-Yageo-datasheet-8817079.pdf?src-supplier=Future+Electronics, ComponentLink13Description=https://datasheet.octopart.com:443/CC0805JRNPO9BN121-Yageo-datasheet-8324240.pdf?src-supplier=Future+Electronics, ComponentLink13URL=https://datasheet.octopart.com:443/CC0805JRNPO9BN121-Yageo-datasheet-8324240.pdf?src-supplier=Future+Electronics, ComponentLink14Description=https://datasheet.octopart.com:443/CC0805JRNPO9BN121-Yageo-datasheet-504625.pdf?src-supplier=Future+Electronics, ComponentLink14URL=https://datasheet.octopart.com:443/CC0805JRNPO9BN121-Yageo-datasheet-504625.pdf?src-supplier=Future+Electronics, ComponentLink15Description=https://datasheet.octopart.com:443/CC0805JRNPO9BN121-Yageo-datasheet-5321569.pdf?src-supplier=Future+Electronics, ComponentLink15URL=https://datasheet.octopart.com:443/CC0805JRNPO9BN121-Yageo-datasheet-5321569.pdf?src-supplier=Future+Electronics, ComponentLink16Description=https://datasheet.octopart.com:443/CC0805JRNPO9BN121-Yageo-datasheet-8643175.pdf?src-supplier=SOS+electronic, ComponentLink16URL=https://datasheet.octopart.com:443/CC0805JRNPO9BN121-Yageo-datasheet-8643175.pdf?src-supplier=SOS+electronic, ComponentLink17Description=https://datasheet.octopart.com:443/CC0805JRNPO9BN121-Yageo-datasheet-8555986.pdf?src-supplier=TME, ComponentLink17URL=https://datasheet.octopart.com:443/CC0805JRNPO9BN121-Yageo-datasheet-8555986.pdf?src-supplier=TME, ComponentLink18Description=http://sigma.octopart.com:80/rohs_statement/Yageo-company-2.pdf?src-supplier=Compliance+Statements, ComponentLink18URL=http://sigma.octopart.com:80/rohs_statement/Yageo-company-2.pdf?src-supplier=Compliance+Statements, ComponentLink19Description=http://sigma.octopart.com:80/conflict_mineral_statement/Yageo-company-3.pdf?src-supplier=Compliance+Statements, ComponentLink19URL=http://sigma.octopart.com:80/conflict_mineral_statement/Yageo-company-3.pdf?src-supplier=Compliance+Statements, Composition=Ceramic, Depth=1.25mm, Halogen Free="Halogen Free", Height=600µm, Lead Free="Lead Free", Length=2mm, Lifecycle Status=Production, Manufacturer Part Number=CC0805JRNPO9BN121, Material=Ceramic, Mount="Surface Mount", Number of Terminals=2, Packaging=Digi-Reel®, Pricing 1="10=0.045, 25=0.042, 50=0.04, 100=0.037, 250=0.034, 500=0.03, 1000=0.027 (USD)", Radiation Hardening=No, REACH SVHC=Yes, RoHS=Compliant, Stock 1=41380, Supplier 1=Newark, Termination=SMD/SMT, Thickness=609.6µm, Voltage Rating (DC)=50V, Width=1.25mm